# Altium PCB choko_keyboard_right.PcbDoc (part 2 of 2)
Units mm, origin at the board's own origin, x right, y up, seen from the top; angles counter-clockwise.
Board outline 148.18 x 100.99 mm, 2 copper layers (Top Layer, Bottom Layer); 105 components, 92 nets, 485 pads, 615 vias.
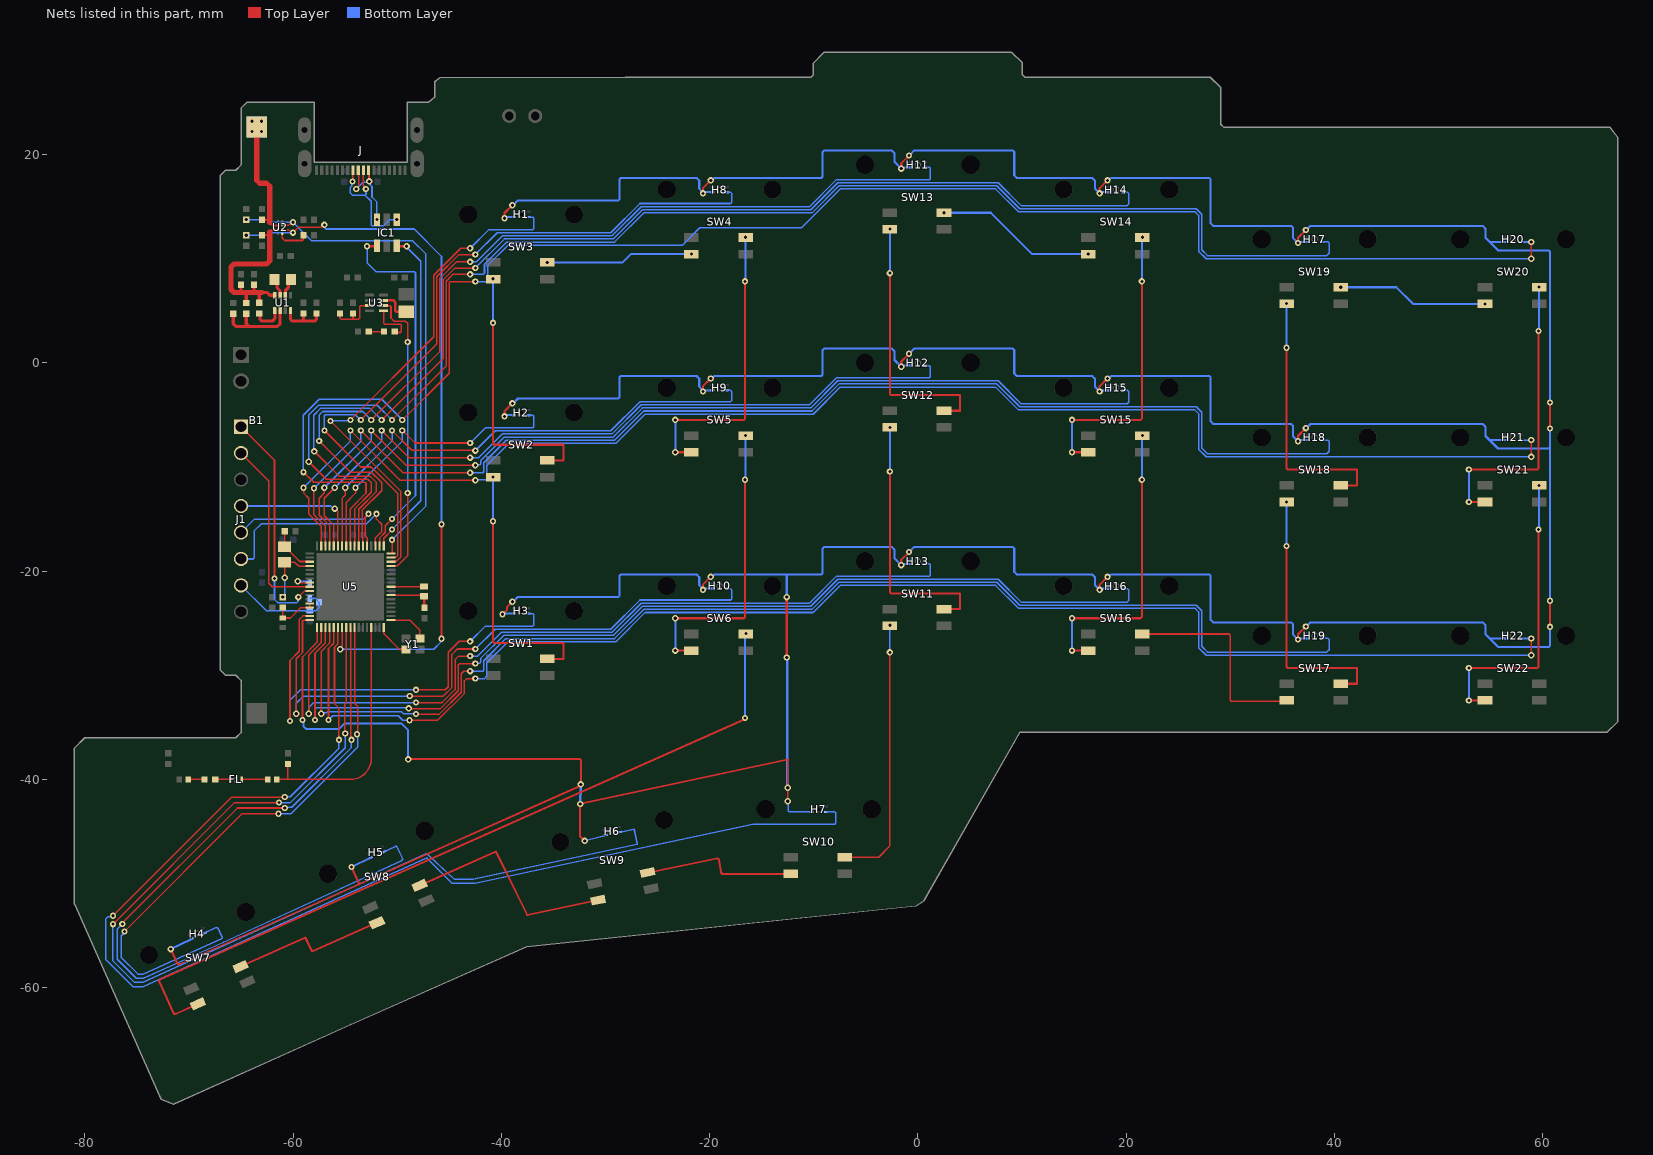
[diagram p2: the nets of this part, all layers, seen from the top]

## Via types
v1: diameter 0.6, hole 0.3, Top Layer to Bottom Layer, tented both sides, 615 vias

## Nets (pads, with @x,y where several pads share a name; then routed paths per layer and width w, separated by ;. In a path a pad name is that pad's centre, name@x,y a point inside that pad or via, vN(x,y) a via of type N, cw(c..) or ccw(c..) an arc to the next point about the centre after c; other vN are vias at no path point) (continued)
HALL: H1.4 H2.4 H3.4 H4.4 H5.4 H6.4 H7.4 H8.4 H9.4 H10.4 H11.4 H12.4 H13.4 H14.4 H15.4 H16.4 H17.4 H18.4 H19.4 H20.4 H21.4 H22.4 U5.18 | length 572.2
  Top Layer w0.15: v1(-59.1,-34.3) -59.1,-28.236 -57.7,-26.836 U5.18@-57.7,-25.4 ; v1(-12.5,-42.1) v1@-12.5,-40.9 ; v1(-12.5,-40.8) -12.5,-38.104
  Top Layer w0.2: v1@-71.723,-56.329 -71.132,-57.635 -71.117,-57.669 -71.032,-57.753 -70.907,-57.753 -53.655,-50.072 v1@-32.33,-40.577 ; v1(-54.4,-48.425) -53.68,-50.015 ; v1(-48.95,-38.075) -48.9,-38.025 -32.492,-38.025 -32.375,-38.142 v1(-32.375,-40.475) ; v1(-39.897,-24.148) -39.45,-23.702 -39.45,-23.438 v1(-38.95,-22.938) ; v1(-39.7,-5.138) -39.7,-4.638 v1(-38.95,-3.888) ; v1(-39.7,13.887) -39.7,14.387 v1(-38.95,15.137) ; v1(-32,-45.9) -32.455,-45.445 -32.455,-42.507 -32.455,-42.438 -32.338,-42.321 -32.296,-42.312 -12.5,-38.104 ; v1(-20.65,-21.8) -20.65,-21.3 v1(-19.9,-20.55) ; v1(-20.65,-2.75) -20.65,-2.25 v1(-19.9,-1.5) ; v1(-20.65,16.275) -20.65,16.775 v1(-19.9,17.525) ; v1(-12.6,-28.3) v1(-12.6,-22.5) ; v1(-1.6,-19.425) -1.6,-18.925 v1(-0.85,-18.175) ; v1(-1.6,-0.375) -1.6,0.125 v1(-0.85,0.875) ; v1(-1.6,18.65) -1.6,19.15 v1(-0.85,19.9) ; v1(17.45,-21.8) 17.45,-21.3 v1(18.2,-20.55) ; v1(17.45,-2.75) 17.45,-2.25 v1(18.2,-1.5) ; v1(17.45,16.275) 17.45,16.775 v1(18.2,17.525) ; v1(36.5,-26.575) 36.5,-26.075 v1(37.25,-25.325) ; v1(36.5,-7.525) 36.5,-7.025 v1(37.25,-6.275) ; v1(36.5,11.5) 36.5,12 v1(37.25,12.75) ; v1(60.7,-25.35) v1(60.7,-22.85) ; v1(60.7,-6.3) v1(60.7,-3.8)
  Bottom Layer w0.15: v1@-32.025,-45.925 v1(-32,-45.9) -30.102,-45.41 H6.4@-29.987,-45.35 ; v1(-12.5,-42.1) -12.447,-42.153 -12.447,-43.037 -12.359,-43.125 H7.4@-10.225,-43.125
  Bottom Layer w0.2: v1@-71.792,-56.313 -71.753,-56.294 -69.828,-55.357 H4.4@-69.738,-55.313 ; v1@-59.05,-34.125 -59.023,-34.152 -59.023,-34.884 -58.758,-35.15 -55.575,-35.15 -55.075,-34.65 -49.575,-34.65 -48.95,-35.275 v1(-48.95,-38.075) ; v1@-54.389,-48.414 -52.628,-47.557 H5.4@-52.538,-47.513 ; v1(-39.897,-24.148) -39.834,-24.085 -38.809,-24.085 H3.4@-38.8,-24.076 ; v1@-39.588,-5.026 H2.4@-38.8,-5.026 ; v1@-39.588,13.999 H1.4@-38.8,13.999 ; v1(-38.95,-22.938) -38.87,-22.938 -38.407,-22.475 -28.767,-22.475 -28.65,-22.358 -28.65,-20.43 -28.533,-20.313 -21.262,-20.313 -21,-20.575 -21,-21.342 -20.65,-21.692 v1(-20.65,-21.8) ; v1(-38.95,-3.888) -38.87,-3.888 -38.407,-3.425 -28.767,-3.425 -28.65,-3.308 -28.65,-1.38 -28.533,-1.263 -21.262,-1.263 -21,-1.525 -21,-2.292 -20.65,-2.642 v1(-20.65,-2.75) ; v1(-38.95,15.137) -38.87,15.137 -38.407,15.6 -28.767,15.6 -28.65,15.717 -28.65,17.645 -28.533,17.762 -21.262,17.762 -21,17.5 -21,16.733 -20.65,16.383 v1(-20.65,16.275) ; v1(-32.425,-42.375) -32.377,-40.549 v1(-32.375,-40.475) v1@-32.325,-40.55 ; v1@-20.538,-21.688 H10.4@-19.75,-21.688 ; v1@-20.538,-2.638 H9.4@-19.75,-2.638 ; v1@-20.538,16.387 H8.4@-19.75,16.387 ; v1(-19.9,-20.55) -19.792,-20.55 -19.567,-20.325 -14.134,-20.325 cw(c-13.97,-21.438) -13.806,-20.325 -12.6,-20.325 ; v1(-19.9,-1.5) -19.792,-1.5 -19.567,-1.275 -14.134,-1.275 cw(c-13.97,-2.388) -13.806,-1.275 -9.267,-1.275 -9.209,-1.216 -9.15,-1.158 -9.15,1.225 -9,1.375 -2.517,1.375 -2.25,1.108 -2.25,0.275 v1(-1.6,-0.375) ; v1(-19.9,17.525) -19.792,17.525 -19.567,17.75 -14.134,17.75 cw(c-13.97,16.637) -13.806,17.75 -9.267,17.75 -9.209,17.809 ; v1(-12.6,-28.3) -12.55,-28.35 -12.55,-40.75 v1(-12.5,-40.8) ; v1(-12.6,-22.5) -12.6,-20.325 ; -9.209,17.809 -9.15,17.867 -9.15,20.25 -9,20.4 -2.517,20.4 -2.25,20.133 -2.25,19.3 v1(-1.6,18.65) ; v1(-1.6,-19.425) -2.25,-18.775 -2.25,-17.942 -2.517,-17.675 -9,-17.675 -9.15,-17.825 -9.15,-20.208 -9.209,-20.266 -9.267,-20.325 -12.6,-20.325 ; v1@-1.488,-19.313 H13.4@-0.7,-19.313 ; v1@-1.488,-0.263 H12.4@-0.7,-0.263 ; v1@-1.488,18.762 H11.4@-0.7,18.762 ; v1(-0.85,-18.175) -0.35,-17.675 9.1,-17.675 9.25,-17.825 9.25,-20.075 9.488,-20.313 14.436,-20.313 14.448,-20.325 16.75,-20.325 17,-20.575 17,-21.35 v1(17.45,-21.8) ; v1(-0.85,0.875) -0.35,1.375 9.1,1.375 9.25,1.225 9.25,-1.025 9.488,-1.263 14.436,-1.263 14.448,-1.275 16.75,-1.275 17,-1.525 17,-2.3 v1(17.45,-2.75) ; v1(-0.85,19.9) -0.35,20.4 9.1,20.4 9.25,20.25 9.25,18 9.488,17.762 14.436,17.762 14.448,17.75 16.75,17.75 17,17.5 17,16.725 v1(17.45,16.275) ; v1@17.562,-21.688 H16.4@18.35,-21.688 ; v1@17.562,-2.638 H15.4@18.35,-2.638 ; v1@17.562,16.387 H14.4@18.35,16.387 ; v1(18.2,-20.55) 18.308,-20.55 18.545,-20.313 27.983,-20.313 28.1,-20.43 28.1,-24.675 28.35,-24.925 35.85,-24.925 36,-25.075 36,-26.075 v1(36.5,-26.575) 36.612,-26.463 H19.4@37.4,-26.463 ; v1(18.2,-1.5) 18.308,-1.5 18.545,-1.263 27.983,-1.263 28.1,-1.38 28.1,-5.625 28.35,-5.875 35.85,-5.875 36,-6.025 36,-7.025 v1(36.5,-7.525) 36.612,-7.413 H18.4@37.4,-7.413 ; v1(18.2,17.525) 18.308,17.525 18.545,17.762 27.983,17.762 28.1,17.645 28.1,13.4 28.35,13.15 35.85,13.15 36,13 36,12 v1(36.5,11.5) 36.612,11.612 H17.4@37.4,11.612 ; v1@18.25,-20.575 v1@18.305,-20.575 ; v1@18.25,-1.525 v1@18.305,-1.525 ; v1@18.25,17.5 v1@18.305,17.5 ; v1(37.25,-25.325) 37.299,-25.325 37.699,-24.925 54.233,-24.925 54.5,-25.192 54.5,-26.075 54.888,-26.463 ; v1(37.25,-6.275) 37.299,-6.275 37.699,-5.875 54.233,-5.875 54.5,-6.142 54.5,-7.025 54.888,-7.413 ; v1(37.25,12.75) 37.299,12.75 37.699,13.15 54.233,13.15 54.5,12.883 54.5,12 54.888,11.612 ; H22.4@56.45,-26.463 54.888,-26.463 ; H21.4@56.45,-7.413 54.888,-7.413 ; H20.4@56.45,11.612 54.888,11.612 ; v1(60.7,-25.35) 60.7,-27.158 60.583,-27.275 55.7,-27.275 54.888,-26.463 ; v1(60.7,-22.85) 60.7,-8.108 ; v1(60.7,-6.3) 60.7,-8.108 ; v1(60.7,-3.8) 60.7,10.683 60.583,10.8 55.7,10.8 54.888,11.612 ; 54.888,-7.413 55.7,-8.225 60.583,-8.225 60.7,-8.108
  other v1: -71.75,-56.3
HALL_EN_1: H1.3 U5.49 | length 49.2
  Top Layer w0.15: v1(-56.417,-5.583) -49.65,-12.35 -49.65,-18.617 -50.108,-19.075 -50.575,-19.075 U5.49@-50.6,-19.1 ; v1(-54.5,-5.5) -46.5,2.5 -46.5,8.4 -43.9,11 v1(-43,11)
  Bottom Layer w0.15: v1(-56.417,-5.583) -56.375,-5.542 -54.542,-5.542 v1(-54.5,-5.5) ; v1(-43,11) -41.2,12.8 -36.988,12.8 -36.9,12.888 -36.9,13.9 -36.999,13.999 H1.3@-37.4,13.999
HALL_EN_2: H2.3 U5.61 | length 28.8
  Top Layer w0.15: U5.61@-54.9,-17.6 -54.9,-13.4 -54,-12.5 v1(-54,-12) ; v1(-49.525,-6.5) -49.5,-6.5 -48.3,-7.7 v1@-43,-7.7
  Bottom Layer w0.15: v1(-54,-12) -49.5,-7.5 -49.5,-6.525 v1(-49.525,-6.5) ; v1@-43.07,-7.765 v1(-43,-7.694) -41.531,-6.225 -36.988,-6.225 -36.9,-6.137 -36.9,-5.125 -36.999,-5.026 H2.3@-37.4,-5.026
HALL_EN_3: H3.3 U5.16 | length 43.1
  Top Layer w0.15: v1(-60.3,-34.4) -60.3,-28.588 -59.4,-27.688 -59.4,-24.65 -59.05,-24.3 U5.16@-58.4,-24.3 ; v1(-48.2,-31.4) -45.4,-31.4 -45.1,-31.1 -45.1,-27.8 -44.044,-26.744 v1(-43,-26.744)
  Bottom Layer w0.15: v1(-60.3,-34.4) -60.3,-32.4 -59.3,-31.4 v1(-48.2,-31.4) ; v1(-43,-26.744) -41.531,-25.275 -36.988,-25.275 -36.9,-25.187 -36.9,-24.175 -36.999,-24.076 H3.3@-37.4,-24.076
HALL_EN_4: H4.3 U5.27 | length 57.5
  Top Layer w0.15: v1(-76.2,-54.6) -64.9,-43.3 v1(-61.4,-43.3) ; U5.27@-54.1,-25.4 -54.1,-32.7 -53.8,-33 -53.8,-35.6 v1(-53.87,-35.67)
  Bottom Layer w0.15: v1(-76.2,-54.6) -76.2,-54.722 -76.5,-55.022 -76.5,-57.1 -74.9,-58.7 -74.4,-58.7 -66.884,-55.292 -66.821,-55.228 -66.821,-55.134 -66.834,-55.105 -67.182,-54.324 -67.266,-54.239 -67.393,-54.239 -67.433,-54.258 H4.3@-68.464,-54.733 ; v1(-61.4,-43.3) -60.2,-43.3 -53.8,-36.9 -53.8,-35.739 v1(-53.87,-35.67)
HALL_EN_5: H5.3 U5.26 | length 77.6
  Top Layer w0.15: v1(-76.4,-53.877) -76.4,-53.8 -65.35,-42.75 v1(-60.8,-42.75) ; U5.26@-54.5,-25.4 -54.475,-25.425 -54.475,-36.125 v1(-54.4,-36.2)
  Bottom Layer w0.15: v1@-76.4,-53.9 -76.423,-53.9 -76.9,-54.377 -76.9,-57.266 -75.066,-59.1 -74.36,-59.1 -66.726,-55.664 -49.584,-47.796 -49.496,-47.708 -49.496,-47.614 -49.982,-46.524 -50.066,-46.439 -50.193,-46.439 -50.233,-46.458 H5.3@-51.264,-46.933 ; v1(-60.8,-42.75) -60.718,-42.668 -60.134,-42.668 -54.4,-36.934 v1(-54.4,-36.2)
HALL_EN_6: H6.3 U5.25 | length 102.5
  Top Layer w0.15: v1(-77.3,-53.9) -65.625,-42.225 v1(-61.361,-42.225) ; v1(-55,-35.6) -55.025,-35.575 -55.025,-32.725 -54.9,-32.6 U5.25@-54.9,-25.4
  Bottom Layer w0.15: v1(-77.3,-53.9) -77.3,-57.431 -75.231,-59.5 -74.421,-59.5 -47.249,-47.122 -47.154,-47.122 -47.11,-47.165 -46.997,-47.279 -44.542,-49.575 -42.726,-49.575 -26.967,-46.225 ; v1(-61.361,-42.225) -60.256,-42.225 -55,-36.969 v1(-55,-35.6) ; H6.3@-28.617,-45.059 -27.265,-44.773 -27.161,-45.262 -27.061,-45.732 ; -27.061,-45.737 -26.961,-46.207
HALL_EN_7: H7.3 U5.23 | length 122.4
  Top Layer w0.15: v1(-77.3,-53.1) -65.9,-41.7 v1(-60.8,-41.7) ; U5.23@-55.7,-25.4 -55.7,-26.983 -56.025,-27.308 -56.025,-32.721 -55.6,-33.146 v1(-55.6,-36.2)
  Bottom Layer w0.15: v1(-77.3,-53.1) -77.386,-53.186 -77.786,-53.186 -78,-53.4 -78,-57.297 -75.397,-59.9 -74.4,-59.9 -47.226,-47.568 -47.132,-47.568 -47.088,-47.612 -44.733,-49.967 -44.671,-49.967 -42.503,-49.967 -15.842,-44.3 -8,-44.3 -7.9,-44.2 -7.9,-43.213 -7.988,-43.125 H7.3@-8.825,-43.125 ; v1(-60.8,-41.7) -60.778,-41.678 -60.275,-41.678 -55.6,-37.003 v1(-55.6,-36.2)
HALL_EN_8: H8.3 U5.50 | length 70.9
  Top Layer w0.15: v1(-56.975,-6.5) -56.975,-6.525 -53.5,-10 -52.5,-10 -49.95,-12.55 -49.95,-18.493 -50.132,-18.675 -50.575,-18.675 U5.50@-50.6,-18.7 ; v1(-53.5,-5.5) -46.2,1.8 -46.2,8.276 -44.076,10.4 v1(-42.5,10.4)
  Bottom Layer w0.15: v1(-56.975,-6.5) -57.025,-6.45 -57.025,-5.063 -56.937,-4.975 -54.025,-4.975 v1(-53.5,-5.5) ; v1(-42.5,10.4) -40.4,12.5 -29.5,12.5 -26.7,15.3 -18,15.3 -17.9,15.4 -17.9,16.299 -17.988,16.387 H8.3@-18.35,16.387
HALL_EN_9: H9.3 U5.62 | length 49.9
  Top Layer w0.15: U5.62@-55.3,-17.6 -55.3,-12.994 -55,-12.694 v1(-55,-12) ; v1(-50.5,-6.5) -48.6,-8.4 v1@-42.5,-8.4
  Bottom Layer w0.15: v1(-55,-12) -50.5,-7.5 v1(-50.5,-6.5) ; v1(-42.5,-8.431) -40.594,-6.525 -29.5,-6.525 -26.7,-3.725 -18,-3.725 -17.9,-3.625 -17.9,-2.726 -17.988,-2.638 H9.3@-18.35,-2.638
HALL_EN_10: H10.3 U5.17 | length 60.1
  Top Layer w0.15: v1(-59.7,-33.7) -59.7,-28.412 -59.1,-27.812 -59.1,-24.788 -59.012,-24.7 U5.17@-58.4,-24.7 ; v1(-48.8,-32) -45.576,-32 -44.75,-31.174 -44.75,-28 -44.231,-27.481 v1(-42.5,-27.481)
  Bottom Layer w0.15: v1(-59.7,-33.7) -59.7,-32.7 -59,-32 -48.9,-32 v1@-48.8,-31.9 ; v1(-42.5,-27.481) -40.594,-25.575 -29.5,-25.575 -26.7,-22.775 -18,-22.775 -17.9,-22.675 -17.9,-21.776 -17.988,-21.688 H10.3@-18.35,-21.688
HALL_EN_11: H11.3 U5.57 | length 91.5
  Top Layer w0.15: v1(-57.5,-7.5) -54.5,-10.5 -52.5,-10.5 -51.5,-11.5 -51.5,-12.273 -53.366,-14.139 -53.366,-16.758 -53.3,-16.824 U5.57@-53.3,-17.6 ; v1(-52.5,-5.5) -45.9,1.1 -45.9,8.1 -44.3,9.7 v1(-43,9.7)
  Bottom Layer w0.15: v1(-57.5,-7.5) -57.5,-5 -57.175,-4.675 -53.325,-4.675 v1(-52.5,-5.5) ; v1(-43,9.7) -42.4,9.7 -39.9,12.2 -29.376,12.2 -26.576,15 -10.424,15 -7.824,17.6 1.112,17.6 1.2,17.688 1.2,18.674 1.112,18.762 H11.3@0.7,18.762
HALL_EN_12: H12.3 U5.64 | length 72.3
  Top Layer w0.15: U5.64@-56.1,-17.6 -56.1,-15.575 -57,-14.675 -57,-13 v1(-56,-12) ; v1(-51.5,-6.5) -48.9,-9.1 v1@-43,-9.1
  Bottom Layer w0.15: v1(-56,-12) -51.5,-7.5 v1(-51.5,-6.5) ; v1(-43,-9.108) -42.208,-9.108 -39.925,-6.825 -29.376,-6.825 -26.576,-4.025 -10.424,-4.025 -7.824,-1.425 1.112,-1.425 1.2,-1.337 1.2,-0.351 1.112,-0.263 H12.3@0.7,-0.263
HALL_EN_13: H13.3 U5.19 | length 77.6
  Top Layer w0.15: v1(-58.5,-33.7) -58.5,-28.06 -57.3,-26.86 U5.19@-57.3,-25.4 ; v1(-48.2,-32.625) -45.701,-32.625 -44.45,-31.374 -44.45,-28.5 -44.108,-28.158 v1(-43,-28.158)
  Bottom Layer w0.15: v1(-58.5,-33.7) -58.5,-33.1 -58.025,-32.625 -48.225,-32.625 v1@-48.2,-32.6 ; v1(-43,-28.158) -42.271,-28.158 -39.988,-25.875 -29.376,-25.875 -26.576,-23.075 -10.424,-23.075 -7.824,-20.475 1.112,-20.475 1.2,-20.387 1.2,-19.401 1.112,-19.313 H13.3@0.7,-19.313
HALL_EN_14: H14.3 U5.58 | length 112.9
  Top Layer w0.15: v1(-57.975,-8.5) -55.601,-10.874 -52.626,-10.874 -52,-11.5 -52,-12.349 -53.7,-14.049 U5.58@-53.7,-17.6 ; v1(-51.5,-5.5) -45.6,0.4 -45.6,7.961 -44.461,9.1 v1(-42.5,9.1)
  Bottom Layer w0.15: v1(-57.975,-8.5) -58.025,-8.45 -58.025,-5.025 -57.375,-4.375 -52.625,-4.375 v1(-51.5,-5.5) ; v1(-42.5,9.1) -39.7,11.9 -29.251,11.9 -26.451,14.7 -10.3,14.7 -7.7,17.3 7.7,17.3 9.9,15.1 20.1,15.1 20.25,15.25 20.25,16.25 20.113,16.387 H14.3@19.75,16.387
HALL_EN_15: H15.3 U5.65 | length 93.8
  Top Layer w0.15: v1(-57,-12) -57,-12.5 -57.5,-13 -57.5,-14.625 -56.5,-15.625 U5.65@-56.5,-17.6 ; v1(-52.5,-6.5) -49.17,-9.83 v1(-42.5,-9.83)
  Bottom Layer w0.15: v1(-57,-12) -52.5,-7.5 v1(-52.5,-6.5) ; v1(-42.5,-9.83) -42.47,-9.799 -42.088,-9.799 -42,-9.711 -42,-9.4 -39.725,-7.125 -29.251,-7.125 -26.451,-4.325 -10.3,-4.325 -7.7,-1.725 7.7,-1.725 9.9,-3.925 20.1,-3.925 20.25,-3.775 20.25,-2.775 20.113,-2.638 H15.3@19.75,-2.638
HALL_EN_16: H16.3 U5.20 | length 98.1
  Top Layer w0.15: v1(-57.9,-34.3) -57.9,-27.885 -56.9,-26.885 U5.20@-56.9,-25.4 ; v1(-48.9,-33.175) -48.875,-33.2 -45.851,-33.2 -44.15,-31.499 -44.15,-29 -44.03,-28.88 v1(-42.5,-28.88)
  Bottom Layer w0.15: v1(-57.9,-34.3) -57.9,-33.2 -57.8,-33.1 -48.9,-33.1 v1@-48.8,-33.2 ; v1(-42.5,-28.88) -42.47,-28.849 -42.088,-28.849 -42,-28.761 -42,-28.4 -39.775,-26.175 -29.251,-26.175 -26.451,-23.375 -10.3,-23.375 -7.7,-20.775 7.7,-20.775 9.9,-22.975 20.1,-22.975 20.25,-22.825 20.25,-21.825 20.113,-21.688 H16.3@19.75,-21.688
HALL_EN_17: H17.3 U5.59 | length 138.3
  Top Layer w0.15: v1(-58.5,-9.5) -56.826,-11.174 -52.826,-11.174 -52.5,-11.5 -52.5,-12.424 -54.1,-14.024 U5.59@-54.1,-17.6 ; v1(-50.5,-5.5) -45.3,-0.3 -45.3,7.836 -44.636,8.5 v1(-43,8.5)
  Bottom Layer w0.15: v1(-58.5,-9.5) -58.5,-5 -57.575,-4.075 -51.925,-4.075 v1(-50.5,-5.5) ; v1(-43,8.5) -41.713,8.5 -41.625,8.588 -41.625,9.463 -39.488,11.6 -29.127,11.6 -26.327,14.4 -10.176,14.4 -7.576,17 7.576,17 9.776,14.8 26.724,14.8 27.25,14.274 27.25,10.85 27.8,10.3 39.264,10.3 39.5,10.536 39.5,11.5 39.388,11.612 H17.3@38.8,11.612
HALL_EN_18: H18.3 U5.66 | length 118.7
  Top Layer w0.15: v1(-58,-12.044) -58,-14.587 -56.9,-15.687 U5.66@-56.9,-17.6 ; v1(-53.5,-6.5) -49.445,-10.555 v1(-43,-10.555)
  Bottom Layer w0.15: v1(-58,-12.044) -53.5,-7.544 v1(-53.5,-6.5) ; v1(-43,-10.555) -41.788,-10.555 -41.7,-10.467 -41.7,-9.6 -39.525,-7.425 -29.127,-7.425 -26.327,-4.625 -10.176,-4.625 -7.576,-2.025 7.576,-2.025 9.776,-4.225 26.724,-4.225 27.25,-4.751 27.25,-8.175 27.8,-8.725 39.264,-8.725 39.5,-8.489 39.5,-7.525 39.388,-7.413 H18.3@38.8,-7.413
HALL_EN_19: H19.3 U5.21 | length 119
  Top Layer w0.15: v1(-57.3,-33.7) -57.3,-27.709 -56.5,-26.909 U5.21@-56.5,-25.4 ; v1(-48.2,-33.725) -45.952,-33.725 -43.85,-31.623 -43.85,-29.85 -43.605,-29.605 v1(-43,-29.605)
  Bottom Layer w0.15: v1(-57.3,-33.7) -57.214,-33.614 -56.814,-33.614 -56.7,-33.5 -49.6,-33.5 -49.4,-33.7 v1@-48.2,-33.7 ; v1(-43,-29.605) -41.788,-29.605 -41.7,-29.517 -41.7,-28.6 -39.575,-26.475 -29.127,-26.475 -26.327,-23.675 -10.176,-23.675 -7.576,-21.075 7.576,-21.075 9.776,-23.275 26.724,-23.275 27.25,-23.801 27.25,-27.225 27.8,-27.775 39.264,-27.775 39.5,-27.539 39.5,-26.575 39.388,-26.463 H19.3@38.8,-26.463
HALL_EN_20: H20.3 U5.60 | length 160.8
  Top Layer w0.15: v1@-59.162,-10.338 v1(-59,-10.5) -58.026,-11.474 -53.088,-11.474 -53,-11.562 -53,-12.5 -54.5,-14 U5.60@-54.5,-17.6 ; v1(-49.525,-5.5) -49.5,-5.5 -45,-1 -45,7.712 -44.912,7.8 v1(-42.5,7.8) ; v1(58.894,11.606) 58.9,11.6 v1(58.9,10)
  Bottom Layer w0.15: v1(-59,-10.5) -59.025,-10.475 -59.025,-5.025 -57.5,-3.5 -51.5,-3.5 -49.525,-5.475 v1(-49.525,-5.5) ; v1(-42.5,7.8) -41.488,7.8 -41.325,7.963 -41.325,9.339 -39.364,11.3 -22.605,11.3 -20.943,12.962 -11.189,12.962 -7.451,16.7 7.451,16.7 9.651,14.5 26.6,14.5 26.95,14.15 26.95,10.726 27.676,10 v1(58.9,10) ; H20.3@57.85,11.612 57.856,11.606 v1(58.894,11.606) v1@58.9,11.606
HALL_EN_21: H21.3 U5.67 | length 140.9
  Top Layer w0.15: v1(-59,-12) -59,-12.5 -58.5,-13 -58.5,-14.525 -57.3,-15.725 U5.67@-57.3,-17.6 ; v1(-54.5,-6.5) -49.73,-11.27 v1(-42.5,-11.27) ; v1(58.9,-9.025) v1@58.9,-7.425
  Bottom Layer w0.15: v1(-59,-12) -54.5,-7.5 v1(-54.5,-6.5) ; v1(-42.5,-11.27) -42.444,-11.214 -41.488,-11.214 -41.4,-11.126 -41.4,-9.857 -39.268,-7.725 -29.003,-7.725 -26.203,-4.925 -10.051,-4.925 -7.451,-2.325 7.451,-2.325 9.651,-4.525 26.6,-4.525 26.95,-4.875 26.95,-8.299 27.676,-9.025 v1(58.9,-9.025) ; H21.3@57.856,-7.419 v1(58.894,-7.419)
HALL_EN_22: H22.3 U5.22 | length 139.2
  Top Layer w0.15: v1(-56.6,-34.3) -56.6,-27.433 -56.1,-26.933 U5.22@-56.1,-25.4 ; v1(-48.825,-34.325) -46.128,-34.325 -43.55,-31.747 -43.55,-30.55 -43.32,-30.32 v1(-42.5,-30.32) ; v1(58.9,-28.075) v1@58.9,-26.475
  Bottom Layer w0.15: v1(-56.6,-34.3) -56.2,-33.9 -49.9,-33.9 -49.475,-34.325 v1(-48.825,-34.325) ; v1(-42.5,-30.32) -41.62,-30.32 -41.4,-30.1 -41.4,-28.8 -39.375,-26.775 -29.003,-26.775 -26.203,-23.975 -10.051,-23.975 -7.451,-21.375 7.451,-21.375 9.651,-23.575 26.6,-23.575 26.95,-23.925 26.95,-27.349 27.676,-28.075 v1(58.9,-28.075) ; H22.3@57.856,-26.469 v1(58.894,-26.469)
LPUART_RX: J1.02 U5.9 | length 17.7
  Top Layer w0.15: J1.02@-65,-8.67 -62.33,-11.34 -62.33,-21.17 -62,-21.5 U5.9@-58.4,-21.5
LPUART_TX: J1.01 U5.10 | length 21.7
  Top Layer w0.15: J1.01@-65,-6.13 -61.786,-9.344 v1(-61.786,-20.714) ; v1(-59.5,-22.5) -58.9,-21.9 U5.10@-58.8,-21.9
  Bottom Layer w0.15: v1(-61.786,-20.714) -61.786,-22.714 -61.475,-23.025 -59.643,-23.025 -59.53,-22.912 -59.53,-22.53 v1(-59.5,-22.5)
NetC10_2: C10.2 U5.3 Y2.2 | length 4.5
  Top Layer w0.15: Y2.2@-60.81,-17.641 -60.685,-17.641 -60.26,-18.066 -60.26,-18.191 -59.375,-19.075 -58.425,-19.075 U5.3@-58.4,-19.1 ; Y2.2@-60.807,-17.638 C10.2@-60.807,-16.214
NetC11_2: C11.2 U5.4 Y2.1 | length 5.9
  Top Layer w0.15: v1@-60.81,-20.554 Y2.1@-60.81,-19.141 -59.859,-19.141 -59.556,-19.444 -59.481,-19.519 -58.419,-19.519 U5.4@-58.4,-19.5
  Bottom Layer w0.15: v1(-61,-22.5) -61,-22.378 -60.81,-22.188 v1(-60.81,-20.641)
NetC14_2: C14.2 FB1.2 U5.13 U5.14 | length 4.4
  Top Layer w0.15: C14.2@-60.988,-23.5 -60.988,-24.488 FB1.2@-61,-24.5 -60.258,-24.5 -59.258,-23.5 U5.14@-58.4,-23.5 U5.13@-58.4,-23.1
NetC21_2: C21.2 L3.1 U5.41 | length 4.3
  Top Layer w0.15: U5.41@-50.6,-22.3 L3.1@-47.66,-22.3
  Top Layer w0.254: L3.1@-47.637,-22.323 L3.1@-47.5,-22.46 ; L3.1@-47.429,-22.397 -47.394,-22.432 C21.2@-47.394,-23.507
NetC22_1: C22.1 FL.3 | length 1.4
  Top Layer w0.15: C22.1@-67.5,-40 C22.1@-67.488,-40 FL.3@-66.055,-40
NetC22_2: C22.2 L5.1 | length 1.5
  Top Layer w0.15: L5.1@-70,-40 C22.2@-68.512,-40
NetFL_1: FL.1 L4.2 | length 2.6
  Top Layer w0.15: FL.1@-65,-40 FL.1@-64.945,-40 L4.2@-62.432,-40
NetL1_1: L1.1 U1.3 | length 1.7
  Top Layer w0.3: L1.1@-61.79,8 -61.547,7.757 -61.547,7.226 -61.26,6.939 -61.26,6.495 U1.3@-61.25,6.485
NetL1_2: L1.2 U1.2 | length 1.7
  Top Layer w0.3: U1.2@-60.75,6.485 -60.74,6.495 -60.74,6.939 -60.453,7.226 -60.453,7.757 L1.2@-60.21,8
NetL2_1: L2.1 U3.7 | length 3
  Top Layer w0.254: U3.7@-51.315,6 -50.367,6 -50.2,5.833 -50.2,5.049 -50.051,4.9 -49.26,4.9 L2.1@-49.25,4.89
NetL3_2: L3.2 U5.43 | length 3.1
  Top Layer w0.15: U5.43@-50.6,-21.5 -47.54,-21.5 L3.2@-47.5,-21.54
NetR5_1: R5.1 U2.A1 | length 3
  Top Layer w0.15: U2.A1@-61.05,12.375 -61.05,11.975 -60.825,11.75 -59.1,11.75 -59.012,11.838 R5.1@-59.012,12.25
NetR7_2: R7.2 R10.2 U1.6 | length 8.3
  Top Layer w0.3: R10.2@-65.75,4.726 -65.75,3.75 -65.5,3.5 -64.25,3.5 ; R7.2@-64.5,4.726 -64.5,3.75 -64.25,3.5 ; U1.6@-61.25,5.015 -61.25,3.75 -61.5,3.5 -64.25,3.5
NetR8_2: R8.2 U1.5 | length 3
  Top Layer w0.3: R8.2@-63.25,4.738 -63.176,4.664 -63.176,4.176 -63,4 -62,4 -61.75,4.25 U1.5@-61.75,5.015
NetR9_2: R9.2 R11.2 U1.8 | length 4.9
  Top Layer w0.3: U1.8@-60.25,5.015 -60.25,4.176 -60.074,4 -59.176,4 ; R9.2@-59,4.75 -59,4.176 -59.176,4 ; R11.2@-57.75,4.75 -57.75,4.176 -57.926,4 -59.176,4
NetR12_2: R12.2 R13.2 U3.3 | length 5.1
  Top Layer w0.15: R13.2@-55.5,4.738 -55.5,4.3 -55.4,4.2 -54.15,4.2 ; R12.2@-54.25,4.738 -54.25,4.3 -54.15,4.2 ; U3.3@-52.685,5.5 -53.353,5.5 -53.365,5.488 -53.512,5.488 -53.6,5.4 -53.6,4.288 -53.688,4.2 -54.15,4.2
NetR14_1: R14.1 U3.5 | length 4.2
  Top Layer w0.15: U3.5@-51.315,5 -51.315,3.815 -51.2,3.7 -49.7,3.7 -49.6,3.6 -49.6,3 -49.688,2.912 -50.188,2.912 R14.1@-50.2,2.9
NetR14_2: R14.2 R15.2 | length 1.6
  Top Layer w0.15: R15.2@-52.738,3 -51.3,3 R14.2@-51.2,2.9
NetSW1_4: SW1.4 SW2.2 | length 25.7
  Top Layer w0.2: v1(-40.8,-15.212) -40.8,-26.795 -40.683,-26.912 -34.05,-26.912 -34.05,-28.425 SW1.4@-35.6,-28.425
  Bottom Layer w0.2: v1(-40.8,-15.212) v1(-40.8,-10.975)
NetSW2_4: SW2.4 SW3.2 | length 25.7
  Top Layer w0.2: v1(-40.8,3.838) -40.8,-7.745 -40.683,-7.862 -34.05,-7.862 -34.05,-9.375 SW2.4@-35.6,-9.375
  Bottom Layer w0.2: v1(-40.8,3.838) v1(-40.8,8.075)
NetSW3_4: SW3.4 SW4.2 | length 14.2
  Bottom Layer w0.2: v1(-35.6,9.649) -28.351,9.649 -27.563,10.437 v1(-21.75,10.437)
NetSW4_4: SW4.4 SW5.2 | length 28.9
  Top Layer w0.2: v1(-23.3,-8.588) SW5.2@-21.75,-8.588 ; v1(-23.3,-5.475) -16.717,-5.475 -16.6,-5.358 v1(-16.6,7.825)
  Bottom Layer w0.2: v1(-23.3,-8.588) v1(-23.3,-5.475) ; v1(-16.6,7.825) -16.575,7.85 -16.575,12.037 v1(-16.55,12.062)
NetSW5_4: SW5.4 SW6.2 | length 28.9
  Top Layer w0.2: v1(-23.3,-27.638) SW6.2@-21.75,-27.638 ; v1(-23.3,-24.525) -16.717,-24.525 -16.6,-24.408 v1(-16.6,-11.225)
  Bottom Layer w0.2: v1(-23.3,-27.638) v1(-23.3,-24.525) ; v1(-16.6,-11.225) -16.575,-11.2 -16.575,-7.013 v1(-16.55,-6.988)
NetSW6_4: SW6.4 SW7.2 | length 75.8
  Top Layer w0.2: SW7.2@-69.145,-61.562 -69.693,-61.806 -71.258,-62.503 -71.297,-62.52 -71.422,-62.52 -71.507,-62.436 -72.852,-59.465 -72.869,-59.426 -72.869,-59.3 -72.785,-59.215 v1@-16.589,-34.195
  Bottom Layer w0.2: v1(-16.6,-34.1) -16.6,-26.208 -16.4,-26.008 v1@-16.4,-26
  other v1: -16.5,-26
NetSW7_4: SW7.4 SW8.2 | length 15.1
  Top Layer w0.2: SW7.4@-65.045,-57.985 -58.798,-55.204 -58.192,-56.544 SW8.2@-51.945,-53.762
NetSW8_4: SW8.4 SW9.2 | length 21.8
  Top Layer w0.2: SW8.4@-47.845,-50.185 -40.532,-46.929 -37.514,-53.033 SW9.2@-30.706,-51.586
NetSW9_4: SW9.4 SW10.2 | length 15.1
  Top Layer w0.2: SW9.4@-26,-49 -25.355,-48.863 -19.324,-47.581 -19.22,-47.581 -19.115,-47.686 -19.105,-47.751 -18.93,-48.904 ccw(c-18.732,-48.875) -18.732,-49.075 SW10.2@-12.225,-49.075
NetSW10_4: SW10.4 SW11.2 | length 25.8
  Top Layer w0.15: SW10.4@-7.025,-47.475 -3.775,-47.475 -2.7,-46.4 v1@-2.7,-27.844
  Bottom Layer w0.15: v1(-2.7,-27.8) v1@-2.7,-25.3
  other v1: -2.7,-25.2
NetSW11_4: SW11.4 SW12.2 | length 25.7
  Top Layer w0.2: v1(-2.7,-10.437) -2.7,-22.02 -2.583,-22.137 4.05,-22.137 4.05,-23.65 SW11.4@2.5,-23.65
  Bottom Layer w0.2: v1(-2.7,-10.437) v1(-2.7,-6.2)
NetSW12_4: SW12.4 SW13.2 | length 25.7
  Top Layer w0.2: v1(-2.7,8.613) -2.7,-2.97 -2.583,-3.087 4.05,-3.087 4.05,-4.6 SW12.4@2.5,-4.6
  Bottom Layer w0.2: v1(-2.7,8.613) v1(-2.7,12.85)
NetSW13_4: SW13.4 SW14.2 | length 15.5
  Bottom Layer w0.2: v1(2.5,14.412) 6.988,14.412 10.963,10.437 v1(16.35,10.437)
NetSW14_4: SW14.4 SW15.2 | length 28.9
  Top Layer w0.2: v1(14.8,-8.588) SW15.2@16.35,-8.588 ; v1(14.8,-5.475) 21.383,-5.475 21.5,-5.358 v1(21.5,7.825)
  Bottom Layer w0.2: v1(14.8,-8.588) v1(14.8,-5.475) ; v1(21.5,7.825) 21.525,7.85 21.525,12.037 v1(21.55,12.062)
NetSW15_4: SW15.4 SW16.2 | length 28.9
  Top Layer w0.2: v1(14.8,-27.638) SW16.2@16.35,-27.638 ; v1(14.8,-24.525) 21.383,-24.525 21.5,-24.408 v1(21.5,-11.225)
  Bottom Layer w0.2: v1(14.8,-27.638) v1(14.8,-24.525) ; v1(21.5,-11.225) 21.525,-11.2 21.525,-7.013 v1(21.55,-6.988)
NetSW16_4: SW16.4 SW17.2 | length 20.3
  Top Layer w0.15: SW16.4@21.55,-26.038 29.912,-26.038 30,-26.126 30,-32.412 30.088,-32.5 SW17.2@35.5,-32.5
NetSW17_4: SW17.4 SW18.2 | length 25.7
  Top Layer w0.2: v1(35.4,-17.6) 35.4,-29.183 35.517,-29.3 42.15,-29.3 42.15,-30.813 SW17.4@40.6,-30.813
  Bottom Layer w0.2: v1(35.4,-17.6) v1(35.4,-13.363)
NetSW18_4: SW18.4 SW19.2 | length 25.7
  Top Layer w0.2: v1(35.4,1.45) 35.4,-10.133 35.517,-10.25 42.15,-10.25 42.15,-11.763 SW18.4@40.6,-11.763
  Bottom Layer w0.2: v1(35.4,1.45) v1(35.4,5.687)
NetSW19_4: SW19.4 SW20.2 | length 14.5
  Bottom Layer w0.2: v1(40.6,7.262) 45.938,7.262 47.538,5.662 v1(54.45,5.662)
NetSW20_4: SW20.4 SW21.2 | length 28.9
  Top Layer w0.2: v1(52.9,-13.363) SW21.2@54.45,-13.363 ; v1(52.9,-10.25) 59.483,-10.25 59.6,-10.133 v1(59.6,3.05)
  Bottom Layer w0.2: v1(52.9,-13.363) v1(52.9,-10.25) ; v1(59.6,3.05) 59.625,3.075 59.625,7.262 v1(59.65,7.287)
NetSW21_4: SW21.4 SW22.2 | length 28.9
  Top Layer w0.2: v1(52.9,-32.413) SW22.2@54.45,-32.413 ; v1(52.9,-29.3) 59.483,-29.3 59.6,-29.183 v1(59.6,-16)
  Bottom Layer w0.2: v1(52.9,-32.413) v1(52.9,-29.3) ; v1(59.6,-16) 59.625,-15.975 59.625,-11.788 v1(59.65,-11.763)
NetU5_34: U5.34 Y1.1 | length 3.4
  Top Layer w0.15: U5.34@-51.3,-25.4 -51.3,-26 -49.775,-27.525 Y1.1@-49.175,-27.525
NetU5_35: U5.35 Y1.3 | length 4
  Top Layer w0.15: U5.35@-50.6,-24.7 -48.8,-24.7 -47.825,-25.675 Y1.3@-47.825,-26.475
NRST: C9.1 D1.1 J1.07 R16.1 | length 10.2
  Bottom Layer w0.15: J1.07@-65,-21.37 -62.582,-23.788 R16.1@-58.4,-23.788 -57.788,-23.788 -57.512,-23.512 C9.1@-57.512,-23 -57.737,-22.775 -57.737,-22.713 -57.825,-22.625 D1.1@-58.4,-22.625
NRST_PIN: D1.2 U5.8 | length 2.5
  Top Layer w0.15: v1(-59.554,-20.975) -59.432,-20.975 -59.307,-21.1 U5.8@-58.4,-21.1
  Bottom Layer w0.15: v1(-59.554,-20.975) -58.535,-20.975 -58.4,-21.11 D1.2@-58.4,-21.175
RF: C24.2 L4.1 U5.31 | length 24.2
  Top Layer w0.15: L4.1@-61.5,-40 -60.5,-40 ; C24.2@-60.5,-38.512 -60.5,-40 ; U5.31@-52.5,-25.4 -52.5,-38 cw(c-54.5,-38) -54.5,-40 -60.5,-40
SCL: R3.1 U2.B1 U5.24 | length 70.4
  Top Layer w0.15: U2.B1@-61.05,12.8 -60.434,12.8 -60.134,12.5 v1(-60.012,12.5) -59.512,13 -57.313,13 -57.063,13.25 v1(-57,13.25) ; v1(-55.475,-27.5) -55.475,-27.378 -55.3,-27.203 U5.24@-55.3,-25.4 ; v1(-45.75,-26.5) v1(-45.75,-15.5)
  Bottom Layer w0.15: v1(-64.5,12.25) -62.424,12.25 -62.174,12.5 v1(-60.012,12.5) ; v1@-57,13 -56.85,12.85 -48.377,12.85 -45.75,10.223 v1(-45.75,-15.5) ; v1(-55.475,-27.5) -46.5,-27.5 v1@-45.75,-26.75
SDA: R4.1 U2.C1 U5.51 | length 50
  Top Layer w0.15: U2.C1@-61.05,13.2 -60.434,13.2 -60.134,13.5 v1(-60.012,13.5) v1@-60,13.5 ; U5.51@-50.6,-18.3 -50.525,-18.3 -50.5,-18.275 v1(-50.5,-17)
  Bottom Layer w0.15: v1(-64.5,13.75) -62.5,13.75 -62.25,13.5 v1(-60.012,13.5) -58.237,11.725 -48.525,11.725 -47.25,10.45 -47.25,-13.75 v1(-50.5,-17)
STOP: U3.6 U5.48 | length 28
  Top Layer w0.15: U3.6@-51.315,5.5 -50.688,5.5 -50.6,5.412 -50.6,4.3 -50.3,4 -49.2,4 -49,3.8 v1(-49,2) ; U5.48@-50.6,-19.5 -50,-19.5 -49,-18.5 v1(-49,-12.5)
  Bottom Layer w0.15: v1(-49,-12.5) v1(-49,2)
SWCLK: J1.05 U5.56 | length 16.1
  Top Layer w0.15: U5.56@-52.9,-17.6 -52.9,-16.8 -53.066,-16.634 -53.066,-14.816 v1(-52.75,-14.5)
  Bottom Layer w0.15: J1.05@-65,-16.29 -63.71,-15 -53.25,-15 v1@-52.879,-14.629
SWDIO: J1.06 U5.54 | length 20.3
  Top Layer w0.15: U5.54@-52.1,-17.6 -52.1,-16.8 -51.5,-16.2 -51.5,-15.5 -52,-15 v1(-52,-14.5)
  Bottom Layer w0.15: J1.06@-65,-19 -64.838,-18.838 -63.838,-18.838 -63.75,-18.75 -63.75,-16.153 -63.047,-15.45 -52.95,-15.45 v1(-52,-14.5) v1@-51.943,-14.443 ; J1.06@-65,-18.83 J1.06@-64.784,-18.614
SWO: J1.04 U5.63 | length 12.8
  Top Layer w0.15: v1(-56,-14) -55.7,-14.3 U5.63@-55.7,-17.6
  Bottom Layer w0.15: J1.04@-65,-13.75 -56.372,-13.75 -56.122,-14 v1(-56,-14)
USB_DM: IC1.3 U5.52 | length 31.8
  Top Layer w0.15: U5.52@-51.3,-17.6 -51.3,-16.849 -50.5,-16.049 v1(-50.5,-16)
  Top Layer w0.254: IC1.3@-50.05,11.25 -50,11.2 -49.294,11.2 -49.26,11.166 -49.134,11.166 v1(-49.1,11.2)
  Bottom Layer w0.15: v1(-50.5,-16) -47.75,-13.25 -47.75,9.75 v1@-49.14,11.14
USB_DM_OUT: IC1.4 J.A7 J.B7 | length 12.1
  Top Layer w0.15: v1@-54.263,17.437 J.A7@-54.263,18.487 ; J.B7@-53.263,18.487 -53.263,17.056 -53,16.794 v1@-53,16.7
  Bottom Layer w0.15: v1(-54.288,17.413) -54.374,17.326 -54.374,16.994 -54.5,16.867 -54.5,16.3 -54.3,16.1 -53.088,16.1 ; v1(-53.016,16.687) -53,16.672 -53,16.188 -53.088,16.1 ; v1(-50.05,13.75) -50.753,13.75 -51.353,13.15 -52.409,13.15 -52.497,13.238 -52.497,15.509 -53.088,16.1
USB_DP: IC1.1 U5.53 | length 35.3
  Top Layer w0.15: U5.53@-51.7,-17.6 -51.7,-16.824 -51.143,-16.267 -51.143,-15.643 v1(-50.5,-15)
  Top Layer w0.254: v1(-52.9,11.2) -52,11.2 IC1.1@-51.95,11.25
  Bottom Layer w0.15: v1(-52.9,11.2) -52.9,9.6 -52.05,8.75 -48.338,8.75 -48.25,8.662 -48.25,-12.75 v1(-50.5,-15)
USB_DP_OUT: IC1.6 J.A6 J.B6 | length 8.6
  Top Layer w0.15: v1@-53.937,16.809 -53.713,17.034 J.B6@-53.713,18.488 ; v1@-52.713,17.451 J.A6@-52.713,18.488
  Top Layer w0.254: v1(-51.95,13.75) IC1.6@-51.95,14.05
  Bottom Layer w0.15: v1(-53.937,16.688) -53.285,17.34 -52.774,17.34 v1(-52.687,17.426) -52.601,17.34 -52.601,17.109 -52.425,16.933 -52.425,15.925 -51.95,15.45 v1(-51.95,13.75)
VCC_BAT: B1.1 C3.2 U2.C2 | length 11.5
  Top Layer w0.2: C3.2@-63,13.738 -62.25,13.738 ; -62.082,13.339 -61.943,13.2 U2.C2@-61.45,13.2
  Top Layer w0.254: B1.1@-63.5,22.65 B1.1@-63.488,22.638
  Top Layer w0.5: B1.1@-63.497,22.647 -63.497,17.543 -63.204,17.25 -62.543,17.25 -62.25,16.957 -62.25,13.5
  other v1: -63.95,22.2 -63.05,22.2 -63.95,23.2 -63.05,23.2
VCC_SYS: C2.2 C4.1 C5.1 R7.1 R8.1 U1.4 U2.B2 | length 18.6
  Top Layer w0.2: C2.2@-62.988,12.25 C2.2@-63,12.262 -62.25,12.262 ; -62.25,12.55 -62.139,12.661 -62.082,12.661 -61.943,12.8 U2.B2@-61.45,12.8
  Top Layer w0.3: C4.1@-65,7.488 -65,6.77 -64.98,6.75 ; R7.1@-64.5,5.75 -64.5,6.587 -64.337,6.75 ; C5.1@-63.75,7.488 -63.75,6.807 -63.693,6.75 ; -63.347,6.75 -63.25,6.653 R8.1@-63.25,5.762 ; -63,6.75 -62.5,6.75 -62.235,6.485 U1.4@-61.75,6.485
  Top Layer w0.5: -63,6.75 -63.347,6.75 -63.693,6.75 -64.337,6.75 -64.98,6.75 -65.68,6.75 -65.973,7.043 -65.973,9.207 -65.68,9.5 -62.543,9.5 -62.25,9.793 -62.25,12.262 -62.25,12.55
pads on no net: H1.5 H2.5 H3.5 H4.5 H5.5 H6.5 H7.5 H8.5 H9.5 H10.5 H11.5 H12.5 H13.5 H14.5 H15.5 H16.5 H17.5 H18.5 H19.5 H20.5 H21.5 H22.5 J.A8 J.B8 SW22.4 U5.2 U5.6 U5.7 U5.11 U5.12 U5.28 U5.29 U5.36 U5.37 U5.38 U5.39 U5.40

## Polygon pours and split planes (outlines as drawn)
GND on Top Layer "GND_L01_P001" (solid, remove dead copper, pour order 1): -73,-70 -80.977,-51.99 -81,-52 -81,-37 -80,-36 -65.5,-36 -65,-35.5 -65,-35 -65,-30.5 -65.5,-30 -66.5,-30 -67,-29.5 -67,18 -66.5,18.5 -65.5,18.5 -65,19 -65,24.462 -64.43,25.032 -57.95,25.032 -57.95,19.241 -49.05,19.241 -49.05,25.032 -47,25.032 -46.4,25.532 -46.4,27 -45.9,27.4 -28.092,27.42 -10.28,27.42 -10.033,27.667 -10.033,28.791 -9.042,29.807 9.017,29.807 10.033,28.817 10.033,27.667 10.28,27.42 28.067,27.42 29.083,26.429 29.083,22.917 29.355,22.645 66.446,22.645 67.183,21.679 67.183,-34.48 66.18,-35.471 9.804,-35.471 0.559,-51.676 -0.203,-52.158 -37.567,-56.07 -54.458,-63.538 -71.496,-71.183 -72.676,-70.729
ANT on Top Layer "L2-No Net" (solid, pour order 0): -73.95,-40.2 -75.575,-40.2 -75.575,-37.725 -76.3,-37.725 -76.3,-46.65 -77.95,-46.65 -77.95,-37.725 -78.675,-37.725 -78.675,-46.675 -80.35,-46.675 -80.35,-39.7 -79.9,-39.7 -79.9,-44.1 -79.9,-46.2 -79.15,-46.2 -79.15,-37.275 -79.1,-37.275 -77.475,-37.275 -77.475,-37.3 -77.475,-46.175 -77.1,-46.175 -76.725,-46.175 -76.725,-46.1 -76.725,-37.275 -76.7,-37.275 -75.075,-37.275 -75.075,-37.3 -75.075,-39.8 -73.925,-39.8 -73.925,-40.2
GND on Bottom Layer "GND_L02_P002" (solid, remove dead copper, pour order 2): -73,-70 -80.977,-51.99 -81,-52 -81,-37 -80,-36 -65.5,-36 -65,-35.5 -65,-35 -65,-30.5 -65.5,-30 -66.5,-30 -67,-29.5 -67,18 -66.5,18.5 -65.5,18.5 -65,19 -65,24.462 -64.43,25.032 -57.95,25.032 -57.95,19.241 -49.05,19.241 -49.05,25.032 -47,25.032 -46.4,25.532 -46.4,27 -45.9,27.4 -28.092,27.42 -10.28,27.42 -10.033,27.667 -10.033,28.791 -9.042,29.807 9.017,29.807 10.033,28.817 10.033,27.667 10.28,27.42 28.067,27.42 29.083,26.429 29.083,22.917 29.355,22.645 66.446,22.645 67.183,21.679 67.183,-34.48 66.18,-35.471 9.804,-35.471 0.559,-51.676 -0.203,-52.158 -37.567,-56.07 -54.458,-63.538 -71.496,-71.183 -72.676,-70.729

## Keep-outs
Keep-Out Layer:
  lines w0.2: -81,-52 -81,-41.5 -81,-37 -80,-36 -65.5,-36 -65,-35.5 -65,-35 -65,-30.5 -65.5,-30 -66.5,-30 -67,-29.5 -67,18 -66.5,18.5 -65.5,18.5 -65,19 -65,24.462 -64.43,25.032 -57.95,25.032 -57.95,19.241 -49.05,19.241 -49.05,25.032 -48.176,25.032 -47,25.032 -46.4,25.532 -46.4,27 -45.9,27.4 -28.092,27.42 -16.662,27.42 -10.28,27.42 -10.033,27.667 -10.033,28.791 -9.042,29.807 9.017,29.807 10.033,28.817 10.033,27.667 10.28,27.42 21.438,27.42 28.067,27.42 29.083,26.429 29.083,22.917 29.355,22.645 66.446,22.645 67.183,21.679 67.183,-34.48 66.18,-35.471 ; -80.977,-51.99 -73,-70 -72.676,-70.729 -71.496,-71.183 -54.458,-63.538 -37.567,-56.07 -0.203,-52.158 0.559,-51.676 9.804,-35.471 35.712,-35.471 40.488,-35.471 54.762,-35.471 59.538,-35.471 66.167,-35.471

## Other copper
Top Layer:
  pour cut-out: -73.8,-36 -73.8,-47.5 -81,-47.5 -81,-37 -80,-36
Bottom Layer:
  pour cut-out: -73.8,-36 -73.8,-47.5 -81,-47.5 -81,-37 -80,-36

## Silkscreen, mask and mechanical layers (free items; w line width, h text height)
Top Overlay:
  text "3.3V" at -63.7,0.2 h1
  text "B00T" at -63.7,-2.3 h1
  text "LP_TX" at -63.657,-6.7 h1
  text "LP_RX" at -63.657,-9.3 h1
  text "3.3V" at -63.7,-11.9 h1
  text "SW0" at -63.7,-14.4 h1
  text "CLK" at -63.7,-16.9 h1
  text "DI0" at -63.7,-19.4 h1
  text "RST" at -63.7,-21.9 h1
  text "GND" at -63.7,-25.2 h1

## Text inside footprints (layer, text, board x,y; h text height)
J: Mechanical 13 "PCB EDGE" at -49.6,24.85 h1 r180